# Altium PCB v1.0.PcbDoc (part 2 of 2)
Units mm, origin at the board's own origin, x right, y up, seen from the top; angles counter-clockwise.
Board outline 99.95 x 74.68 mm, 4 copper layers (Top Layer, Int1 (GND), Int2 (PWR), Bottom Layer), stack 1.608 mm thick; 137 components, 103 nets, 459 pads, 643 vias.
Unrouted connection lines stored in the file: 1.
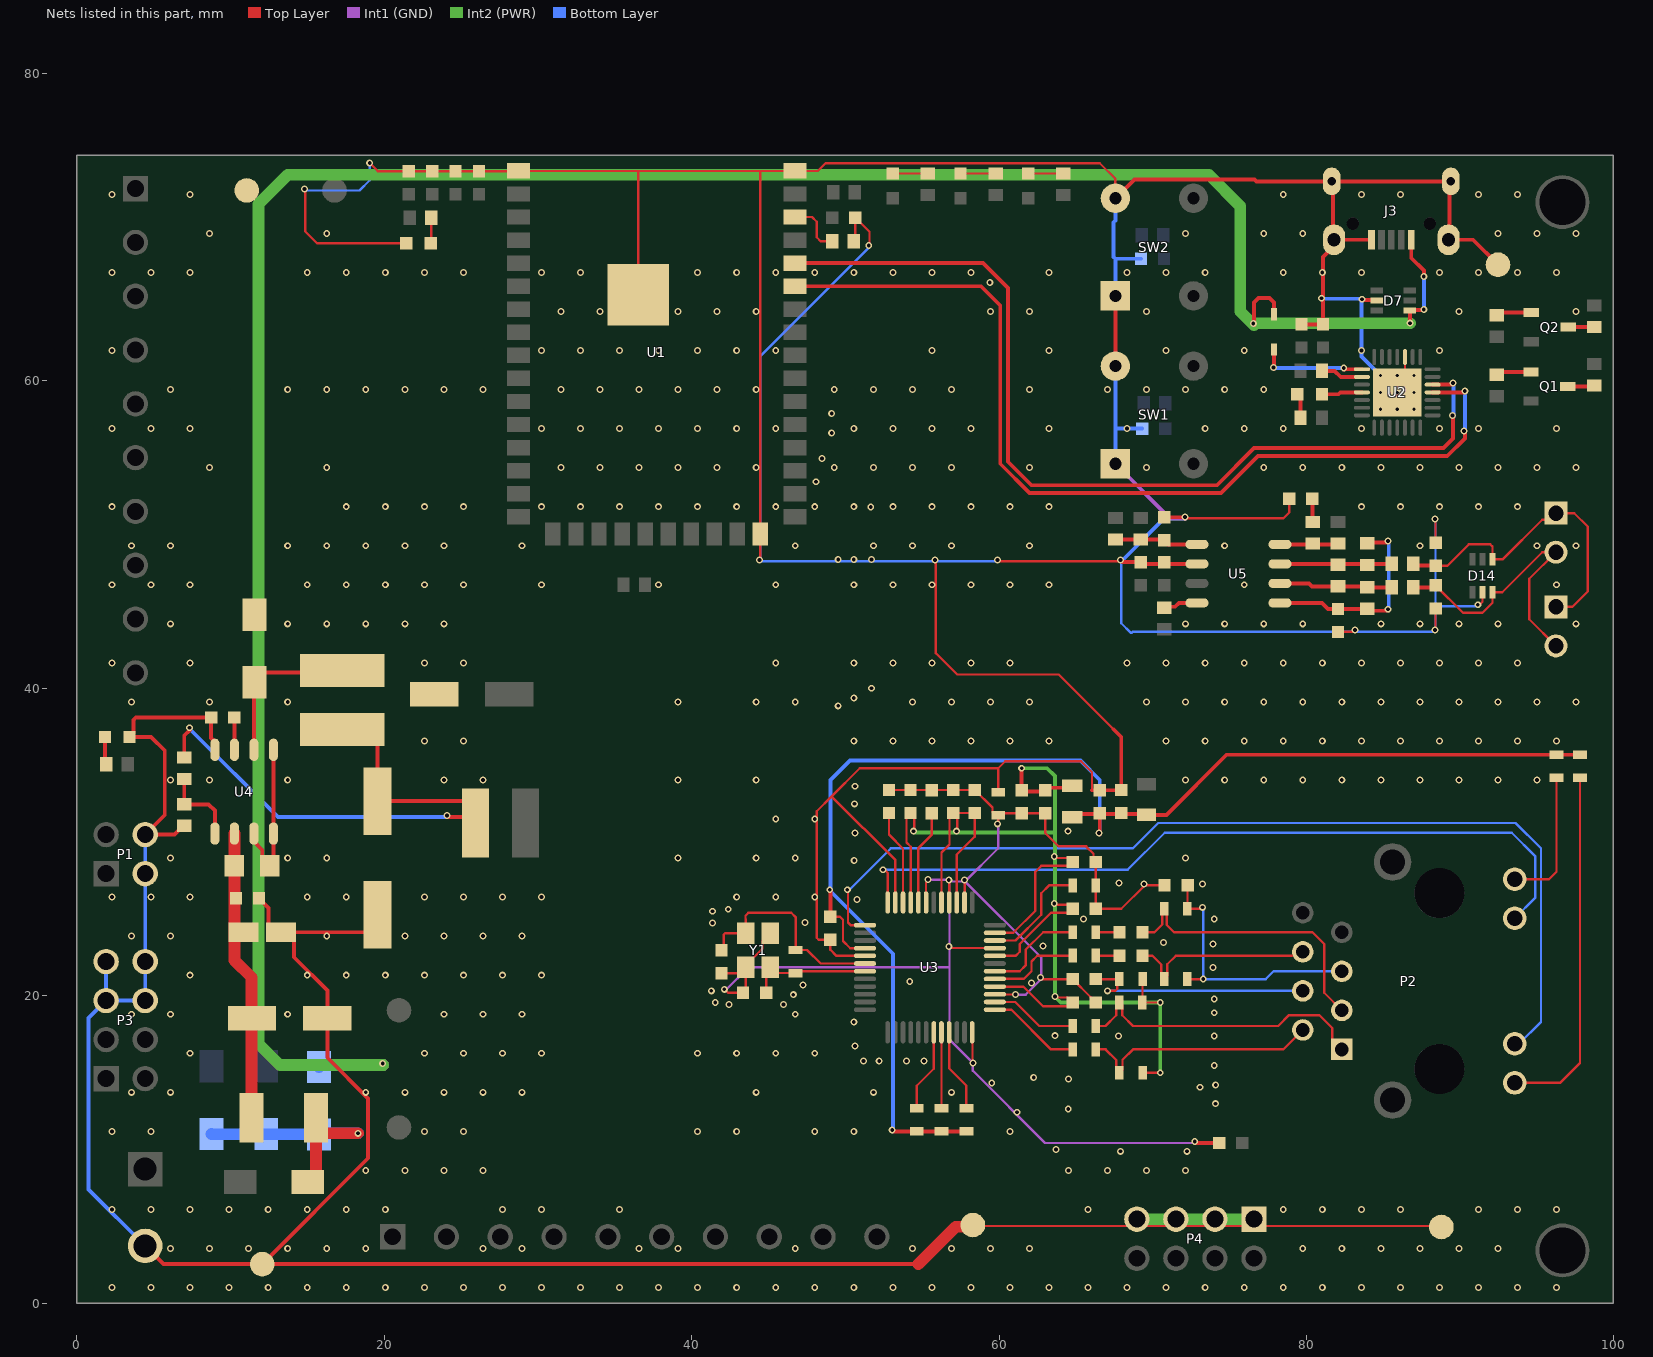
[diagram p4: the nets of this part, all layers, seen from the top]

## Via types
v1: diameter 0.45, hole 0.25, Top Layer to Bottom Layer, tented both sides, 634 vias
v2: diameter 0.5, hole 0.2, Top Layer to Bottom Layer, 9 vias

## Nets (pads, with @x,y where several pads share a name; then routed paths per layer and width w, separated by ;. In a path a pad name is that pad's centre, name@x,y a point inside that pad or via, vN(x,y) a via of type N, cw(c..) or ccw(c..) an arc to the next point about the centre after c; other vN are vias at no path point) (continued)
GND: C1.1 C2.1 C3.1 C4.1 C5.1 C6.1 C7.1 C8.1 C9.1 C18.1 C19.1 C27.1 C30.2 C31.2 C32.2 C33.2 C34.1 C35.2 C36.2 C37.1 C38.1 C39.2 C40.2 C41.1 C42.1 D4.1 D7.2 D10.1 D12.1 D14.2 J3.5 J3.Shell J4.2 P1.2 P1.4 P3.5 P3.6 P3.7 P3.8 P4.1 P4.3 P4.5 P4.7 R2.2 R31.2 R36.1 SW1.1 SW1.3 SW2.1 SW2.3 TP3.1 TP4.1 TP6.1 TP7.1 TP8.1 U1.1 U1.26 U1.42 U1.43 U2.3 U2.29 U3.23 U3.29 U4.4 U5.2 | length 544.1
  Top Layer w0.152: v1@14.859,72.39 14.859,69.723 15.621,68.961 D4.1@21.425,68.961 ; v1(19.05,74.172) 19.574,73.648 C6.1@23.114,73.648 C5.1@24.638,73.648 C4.1@26.162,73.648 28.707,73.648 U1.1@28.719,73.66 36.449,73.66 ; U1.43@36.519,65.599 36.519,73.59 36.449,73.66 ; v1@44.45,48.26 44.45,50.019 U1.26@44.469,50.038 44.469,73.641 44.45,73.66 ; R2.2@50.549,69.088 50.649,69.188 C3.1@50.649,70.612 51.562,69.699 v1@51.562,68.707 ; U3.29@51.274,22.594 49.415,22.594 49.022,22.987 C18.1@49.022,23.634 48.272,23.634 48.133,23.773 48.133,32.004 49.1,32.971 ; U3.23@53.249,26.069 53.249,28.822 49.1,32.971 ; v1@55.88,48.26 55.88,42.291 57.277,40.894 63.881,40.894 67.437,37.338 ; TP3.1@58.356,5.016 88.709,5.016 TP8.1@88.773,4.953 ; R31.2@59.944,33.25 59.944,34.798 ; v1@59.944,48.26 v1@67.945,48.26 ; 66.04,33.365 66.04,34.544 65.332,35.252 60.398,35.252 59.944,34.798 ; SW2.3@67.564,71.882 67.564,73.152 66.551,74.165 48.706,74.165 48.202,73.66 U1.42@46.719,73.66 44.45,73.66 ; v1@72.136,51.054 78.486,51.054 78.879,51.447 C42.1@78.879,52.324 ; C38.1@82.048,43.66 82.076,43.688 v1@83.185,43.688 ; v2(85.903,59.256) 86.403,59.756 U2.3@86.403,61.556 ; v1@88.392,43.688 88.392,45.19 C41.1@88.398,45.196 ; v1@88.392,50.927 88.392,49.483 C36.2@88.398,49.478 ; v1@91.186,45.339 91.186,45.367 91.446,45.627 D14.2@91.446,46.256 ; 36.449,73.66 44.45,73.66 ; 49.1,32.971 50.927,34.798 59.944,34.798
  Top Layer w0.254: J4.2@4.445,3.723 5.628,2.54 TP7.1@12.065,2.54 ; R36.1@6.985,31.05 6.91,31.05 6.34,30.48 P1.4@4.445,30.48 5.715,31.75 5.715,35.941 4.826,36.83 D12.1@3.429,36.83 3.683,37.084 3.683,37.951 3.832,38.1 C35.2@8.737,38.1 8.737,36.76 8.979,36.518 U4.4@8.979,35.999 ; C34.1@11.845,26.336 12.478,25.704 12.478,24.628 12.976,24.13 C33.2@13.29,24.13 C33.2@13.64,24.13 ; C30.2@19.558,25.256 19.558,24.903 18.785,24.13 C33.2@13.64,24.13 ; 54.737,2.54 TP7.1@12.065,2.54 ; 66.04,33.365 C27.1@66.548,33.365 67.921,33.365 C19.1@67.945,33.389 67.945,36.83 67.437,37.338 ; SW1.3@67.564,60.96 SW2.1@67.564,65.532 ; SW2.3@67.564,71.882 68.796,73.114 76.614,73.114 76.745,72.983 J3.Shell@81.639,72.983 ; v1@67.945,48.26 67.985,48.26 68.037,48.208 C40.2@69.221,48.208 69.336,48.093 U5.2@72.871,48.093 ; C37.1@70.745,51.129 72.022,51.129 72.096,51.054 v1@72.136,51.054 ; C9.1@79.672,63.677 C8.1@81.069,63.677 81.069,68.063 81.789,68.783 J3.Shell@81.789,69.183 ; v1(83.603,65.31) 83.641,65.273 84.518,65.273 D7.2@84.566,65.225 ; J3.5@84.214,69.183 J3.Shell@81.789,69.183 ; TP6.1@92.456,67.564 90.837,69.183 J3.Shell@89.239,69.183 89.314,69.258 89.314,72.908 J3.Shell@89.389,72.983 J3.Shell@81.639,72.983 ; TP7.1@12.065,2.54 18.948,9.423 18.948,13.309 16.293,15.964 C32.2@16.293,18.542 16.293,20.346 14.138,22.501 14.138,23.632 C33.2@13.64,24.13 ; J3.Shell@81.639,72.983 81.714,72.908 81.714,69.258 J3.Shell@81.789,69.183
  Top Layer w0.762: 54.737,2.54 57.173,4.976 58.316,4.976 TP3.1@58.356,5.016
  Int1 (GND) w0.254: SW1.1@67.564,54.61 71.12,51.054 v1@72.136,51.054
  Int2 (PWR) w0.762: P4.7@68.961,5.461 P4.5@71.501,5.461 P4.3@74.041,5.461 P4.1@76.581,5.461
  Bottom Layer w0.152: v1@14.859,72.39 18.386,72.39 19.05,73.054 v1(19.05,74.172) ; v1@51.562,68.707 44.45,61.595 44.45,48.26 55.88,48.26 v1@59.944,48.26 ; v1@67.945,48.26 67.945,44.232 68.553,43.624 68.643,43.624 68.707,43.688 83.185,43.688 88.392,43.688 88.392,45.339 ; v1@88.392,50.927 88.392,45.339 ; v1@91.186,45.339 88.392,45.339
  Bottom Layer w0.254: P3.7@1.905,22.225 P3.5@1.905,19.685 ; J4.2@4.445,3.723 0.762,7.406 0.762,18.542 P3.5@1.905,19.685 ; P1.4@4.445,30.48 P1.2@4.445,27.94 P3.8@4.445,22.225 P3.6@4.445,19.685 P3.5@1.905,19.685 ; SW1.1@67.564,54.61 67.564,56.896 ; SW1.3@67.564,60.96 67.564,56.896 ; SW2.1@67.564,65.532 67.564,67.945 ; SW2.3@67.564,71.882 67.564,70.442 67.441,70.319 67.441,68.068 67.564,67.945 ; v1@67.945,48.26 70.739,51.054 v1@72.136,51.054 ; C2.1@69.227,67.945 67.564,67.945 ; C1.1@69.305,56.896 67.564,56.896 ; v1@81.021,65.285 81.021,65.29 81.074,65.343 83.57,65.343 v1(83.603,65.31) ; v1@83.58,65.278 83.58,61.578 v2(84.803,60.356)
  other v1: 2.286,1.016 4.826,1.016 7.366,1.016 9.906,1.016 12.446,1.016 14.986,1.016 17.526,1.016 20.066,1.016 22.606,1.016 25.146,1.016 27.686,1.016 30.226,1.016 32.766,1.016 35.306,1.016 37.846,1.016 40.386,1.016 42.926,1.016 45.466,1.016 48.006,1.016 50.546,1.016 53.086,1.016 55.626,1.016 58.166,1.016 60.706,1.016 63.246,1.016 65.786,1.016 68.326,1.016 70.866,1.016 73.406,1.016 75.946,1.016 78.486,1.016 81.026,1.016 83.566,1.016 86.106,1.016 88.646,1.016 91.186,1.016 93.726,1.016 96.266,1.016 6.096,3.556 8.636,3.556 11.176,3.556 13.716,3.556 16.256,3.556 18.796,3.556 26.416,3.556 28.956,3.556 36.576,3.556 39.116,3.556 46.736,3.556 54.356,3.556 56.896,3.556 59.436,3.556 61.976,3.556 79.756,3.556 82.296,3.556 84.836,3.556 87.376,3.556 89.916,3.556 92.456,3.556 2.286,6.096 4.826,6.096 7.366,6.096 9.906,6.096 12.446,6.096 14.986,6.096 17.526,6.096 20.066,6.096 27.686,6.096 30.226,6.096 35.306,6.096 65.786,6.096 78.486,6.096 81.026,6.096 83.566,6.096 86.106,6.096 91.186,6.096 93.726,6.096 96.266,6.096 18.796,8.636 21.336,8.636 23.876,8.636 26.416,8.636 64.516,8.636 67.056,8.636 69.596,8.636 72.136,8.636 2.286,11.176 4.826,11.176 22.606,11.176 25.146,11.176 40.386,11.176 42.926,11.176 48.006,11.176 50.546,11.176 60.706,11.176 3.556,13.716 6.096,13.716 18.796,13.716 21.336,13.716 23.876,13.716 26.416,13.716 28.956,13.716 44.196,13.716 51.816,13.716 56.896,13.716 7.366,16.256 22.606,16.256 25.146,16.256 27.686,16.256 30.226,16.256 40.386,16.256 42.926,16.256 45.466,16.256 48.006,16.256 3.556,18.796 6.096,18.796 13.716,18.796 23.876,18.796 26.416,18.796 28.956,18.796 46.736,18.796 7.366,21.336 14.986,21.336 17.526,21.336 20.066,21.336 22.606,21.336 25.146,21.336 27.686,21.336 30.226,21.336 3.556,23.876 6.096,23.876 16.256,23.876 21.336,23.876 23.876,23.876 26.416,23.876 28.956,23.876 2.286,26.416 4.826,26.416 7.366,26.416 14.986,26.416 17.526,26.416 22.606,26.416 25.146,26.416 27.686,26.416 30.226,26.416 42.926,26.416 45.466,26.416 48.006,26.416 6.096,28.956 13.716,28.956 16.256,28.956 39.116,28.956 44.196,28.956 46.736,28.956 72.136,28.956 45.466,31.496 48.006,31.496 6.096,34.036 8.636,34.036 13.716,34.036 23.876,34.036 26.416,34.036 39.116,34.036 44.196,34.036 72.136,34.036 74.676,34.036 77.216,34.036 79.756,34.036 82.296,34.036 84.836,34.036 87.376,34.036 89.916,34.036 92.456,34.036 94.996,34.036 22.606,36.576 25.146,36.576 50.546,36.576 53.086,36.576 55.626,36.576 58.166,36.576 60.706,36.576 63.246,36.576 70.866,36.576 73.406,36.576 75.946,36.576 78.486,36.576 81.026,36.576 83.566,36.576 86.106,36.576 88.646,36.576 91.186,36.576 93.726,36.576 96.266,36.576 49.53,38.862 3.556,39.116 8.636,39.116 13.716,39.116 39.116,39.116 44.196,39.116 46.736,39.116 54.356,39.116 56.896,39.116 59.436,39.116 61.976,39.116 69.596,39.116 72.136,39.116 74.676,39.116 77.216,39.116 79.756,39.116 82.296,39.116 84.836,39.116 87.376,39.116 89.916,39.116 92.456,39.116 94.996,39.116 97.536,39.116 50.546,39.37 51.689,40.005 2.286,41.656 7.366,41.656 22.606,41.656 25.146,41.656 45.466,41.656 50.546,41.656 53.086,41.656 55.626,41.656 58.166,41.656 60.706,41.656 68.326,41.656 70.866,41.656 73.406,41.656 75.946,41.656 78.486,41.656 81.026,41.656 83.566,41.656 86.106,41.656 88.646,41.656 91.186,41.656 93.726,41.656 83.142,43.786 88.349,43.786 6.096,44.196 13.716,44.196 16.256,44.196 18.796,44.196 21.336,44.196 23.876,44.196 72.136,44.196 74.676,44.196 77.216,44.196 79.756,44.196 84.836,44.196 87.376,44.196 89.916,44.196 92.456,44.196 97.536,44.196 91.143,45.437 2.286,46.736 4.826,46.736 7.366,46.736 14.986,46.736 17.526,46.736 20.066,46.736 22.606,46.736 25.146,46.736 30.226,46.736 37.846,46.736 45.466,46.736 50.546,46.736 53.086,46.736 55.626,46.736 58.166,46.736 60.706,46.736 63.246,46.736 75.946,46.736 96.266,46.736 44.407,48.358 55.837,48.358 59.901,48.358 67.902,48.358 49.53,48.387 50.546,48.387 51.689,48.387 3.556,49.276 6.096,49.276 13.716,49.276 16.256,49.276 18.796,49.276 21.336,49.276 23.876,49.276 28.956,49.276 46.736,49.276 51.816,49.276 54.356,49.276 56.896,49.276 61.976,49.276 74.676,49.276 87.376,49.276 94.996,49.276 97.536,49.276 88.349,51.025 72.093,51.152 51.646,51.787 2.286,51.816 17.526,51.816 20.066,51.816 22.606,51.816 25.146,51.816 30.226,51.816 32.766,51.816 35.306,51.816 37.846,51.816 40.386,51.816 42.926,51.816 45.466,51.816 48.006,51.816 50.546,51.816 53.086,51.816 55.626,51.816 58.166,51.816 60.706,51.816 63.246,51.816 83.566,51.816 86.106,51.816 88.646,51.816 91.186,51.816 93.726,51.816 48.09,53.438 8.636,54.356 16.256,54.356 31.496,54.356 34.036,54.356 36.576,54.356 39.116,54.356 41.656,54.356 44.196,54.356 49.276,54.356 51.816,54.356 54.356,54.356 56.896,54.356 61.976,54.356 69.596,54.356 77.216,54.356 79.756,54.356 82.296,54.356 84.836,54.356 87.376,54.356 89.916,54.356 92.456,54.356 94.996,54.356 97.536,54.356 48.471,54.962 49.106,56.613 2.286,56.896 4.826,56.896 7.366,56.896 30.226,56.896 32.766,56.896 35.306,56.896 37.846,56.896 40.386,56.896 42.926,56.896 45.466,56.896 50.546,56.896 53.086,56.896 55.626,56.896 58.166,56.896 63.246,56.896 68.326,56.896 73.406,56.896 75.946,56.896 78.486,56.896 83.566,56.896 88.646,56.896 91.186,56.896 96.266,56.896 49.106,57.883 6.096,59.436 13.716,59.436 16.256,59.436 18.796,59.436 21.336,59.436 23.876,59.436 26.416,59.436 31.496,59.436 34.036,59.436 36.576,59.436 39.116,59.436 41.656,59.436 44.196,59.436 49.276,59.436 51.816,59.436 54.356,59.436 56.896,59.436 61.976,59.436 67.056,59.436 69.596,59.436 72.136,59.436 74.676,59.436 77.216,59.436 2.286,61.976 30.226,61.976 32.766,61.976 35.306,61.976 37.846,61.976 40.386,61.976 42.926,61.976 45.466,61.976 55.626,61.976 63.246,61.976 70.866,61.976 75.946,61.976 83.566,61.976 88.646,61.976 31.496,64.516 34.036,64.516 39.116,64.516 41.656,64.516 44.196,64.516 59.436,64.516 61.976,64.516 69.596,64.516 89.916,64.516 97.536,64.516 80.983,65.376 59.393,66.392 2.286,67.056 4.826,67.056 7.366,67.056 14.986,67.056 17.526,67.056 20.066,67.056 22.606,67.056 25.146,67.056 30.226,67.056 32.766,67.056 40.386,67.056 42.926,67.056 45.466,67.056 48.006,67.056 50.546,67.056 53.086,67.056 55.626,67.056 58.166,67.056 63.246,67.056 68.326,67.056 70.866,67.056 73.406,67.056 78.486,67.056 81.026,67.056 83.566,67.056 88.646,67.056 91.186,67.056 93.726,67.056 96.266,67.056 51.519,68.805 8.636,69.596 16.256,69.596 72.136,69.596 77.216,69.596 79.756,69.596 92.456,69.596 94.996,69.596 97.536,69.596 2.286,72.136 7.366,72.136 78.486,72.136 83.566,72.136 86.106,72.136 91.186,72.136 93.726,72.136 14.816,72.488
  other v2: 84.803,58.156 85.903,58.156 87.003,58.156 84.803,59.256 87.003,59.256 85.903,60.356 87.003,60.356
GNDA: C12.1 C13.1 C14.2 C15.1 C16.2 C17.1 C20.1 C21.1 C22.1 C23.1 C24.1 C25.1 C26.1 C28.1 C29.1 R25.2 R31.1 U3.3 U3.9 U3.14 U3.16 U3.19 U3.48 Y1.2 Y1.4 | length 111.5
  Top Layer w0.152: C17.1@41.932,21.463 43.123,21.463 Y1.2@43.516,21.856 ; v1@42.164,20.32 42.231,20.32 42.358,20.193 C20.1@43.341,20.193 43.516,20.368 Y1.2@43.516,21.856 ; Y1.4@45.116,24.056 44.617,23.557 44.617,23.082 43.516,21.981 Y1.2@43.516,21.856 ; C14.2@52.832,33.389 C23.1@57.023,33.389 C25.1@58.42,33.389 59.57,32.239 59.57,31.949 59.769,31.75 R31.1@59.944,31.75 ; U3.19@55.249,26.069 55.247,26.071 55.247,27.353 55.372,27.478 v1(55.372,27.559) ; U3.16@56.749,26.069 56.759,26.079 56.759,27.422 v1@56.769,27.432 ; v1@56.769,23.114 56.779,23.104 59.714,23.104 U3.9@59.724,23.094 ; U3.14@57.749,26.069 57.767,26.087 57.767,27.414 v1@57.785,27.432 ; U3.48@58.249,17.619 58.271,17.597 58.271,15.643 v1(58.293,15.621) ; U3.3@59.724,20.094 59.738,20.08 v1(61.073,20.08) ; v1@59.944,31.086 R31.1@59.944,31.75 ; v1@62.738,21.082 C12.1@64.782,21.082 65.958,19.906 65.958,19.882 C21.1@66.282,19.558 ; C15.1@70.763,27.178 69.469,27.178 67.945,25.654 C22.1@66.282,25.654 R25.2@66.282,27.178 C24.1@66.282,28.702 66.136,28.848 66.136,29.241 65.659,29.718 63.881,29.718 62.992,30.607 C28.1@62.992,31.877 C29.1@61.468,31.877 60.071,31.877 R31.1@59.944,31.75
  Top Layer w0.254: v1@72.771,10.414 C16.2@74.319,10.414
  Int1 (GND) w0.152: v1@42.164,20.32 43.688,21.844 56.769,21.844 ; v1(55.372,27.559) 55.386,27.545 56.628,27.545 56.642,27.559 v1@56.769,27.432 ; v1@59.944,31.086 59.944,29.591 v1@57.785,27.432 ; v1(61.073,20.08) 61.087,20.066 61.722,20.066 62.738,21.082 62.738,22.479 v1@57.785,27.432 ; v1@72.771,10.414 62.992,10.414 58.293,15.113 v1(58.293,15.621) 56.769,17.145 56.769,21.844 ; 56.769,21.844 56.769,23.114 v1@56.769,27.432 ; v1@56.769,27.432 v1@57.785,27.432
  other v1: 67.902,9.877 72.22,9.877 63.711,10.004 72.728,10.512 61.171,12.417 64.495,12.639 74.069,12.976 73.058,14.043 74.089,14.182 59.52,14.322 64.523,14.576 62.249,14.689 73.998,15.465 51.181,15.748 52.197,15.748 53.975,15.748 55.118,15.748 50.63,16.735 67.775,17.37 73.998,17.37 63.627,17.399 50.546,18.288 73.998,18.894 42.418,19.431 45.974,19.431 41.529,19.558 73.998,19.783 46.609,20.066 41.275,20.32 42.121,20.418 47.244,20.701 62.103,20.828 54.186,20.926 62.695,21.18 73.914,21.844 56.726,23.212 62.865,23.241 73.914,23.368 70.696,23.466 41.359,24.736 47.371,24.765 65.489,24.99 73.998,24.99 41.359,25.498 42.375,25.625 50.757,26.26 69.426,27.276 73.236,27.276 67.791,27.338 56.726,27.53 57.742,27.53 50.571,28.789 50.63,30.578 64.473,30.705 59.901,31.184 50.587,32.485 50.63,33.626
LINKLED: P2.10 U3.25 | length 64.4
  Top Layer w0.152: v1@50.165,26.797 50.165,24.765 50.336,24.594 U3.25@51.274,24.594
  Bottom Layer w0.152: v1@50.165,26.797 52.959,29.591 68.707,29.591 70.358,31.242 93.599,31.242 95.25,29.591 95.25,18.288 93.832,16.87 P2.10@93.546,16.87
  other v1: 50.122,26.895
MAIN_VIN: C32.1 C33.1 C34.2 F1.2 R37.1 U4.6 | length 18.9
  Top Layer w0.762: U4.6@10.249,30.549 R37.1@10.249,28.448 10.249,22.304 11.362,21.19 F1.2@11.362,12.065
NetC10_1: C10.1 P2.3 R26.1 | length 19.2
  Top Layer w0.152: C10.1@69.33,24.13 70.104,24.13 70.612,24.638 70.612,25.515 R26.1@70.751,25.654 70.903,25.502 70.903,24.601 71.374,24.13 80.391,24.13 81.153,23.368 81.153,20.188 P2.3@82.296,19.045
NetC10_2: C10.2 R22.2 | length 1.5
  Top Layer w0.152: R22.2@66.294,24.13 C10.2@67.83,24.13
NetC11_1: C11.1 P2.6 R27.1 | length 12.7
  Top Layer w0.152: C11.1@69.33,22.606 69.977,22.606 70.55,22.033 70.55,21.271 R27.1@70.739,21.082 70.938,21.281 70.938,22.043 71.501,22.606 79.044,22.606 79.055,22.617 79.518,22.617 P2.6@79.756,22.855
NetC11_2: C11.2 R24.2 | length 1.5
  Top Layer w0.152: R24.2@66.282,22.606 C11.2@67.83,22.606
NetC12_2: C12.2 P2.4 R17.1 | length 15.6
  Top Layer w0.152: C12.2@66.282,21.082 R17.1@67.83,21.082 67.691,20.943 67.691,20.447 67.564,20.32 v1(67.056,20.32)
  Bottom Layer w0.152: v1(67.056,20.32) 67.058,20.318 79.753,20.318 P2.4@79.756,20.315
NetC13_2: C13.2 U3.20 | length 6.2
  Top Layer w0.152: U3.20@54.749,26.069 54.749,29.603 55.626,30.48 C13.2@55.626,31.877
NetC14_1: C14.1 U3.22 | length 6.2
  Top Layer w0.152: C14.1@52.832,31.889 52.832,30.48 53.749,29.563 U3.22@53.749,26.069
NetC15_2: C15.2 P2.5 R26.2 R27.2 | length 17.4
  Top Layer w0.152: R27.2@72.239,21.082 v1(73.279,21.082) ; C15.2@72.263,27.178 72.251,27.166 R26.2@72.251,25.654 v1@73.279,25.654
  Bottom Layer w0.152: v1@73.279,25.654 v1(73.279,21.082) 77.343,21.082 77.851,21.59 82.291,21.59 P2.5@82.296,21.585
  other v1: 73.236,25.752
NetC30_1: C30.1 L2.2 L3.1 R34.2 | length 35
  Top Layer w0.254: R34.2@6.985,35.498 6.985,36.917 7.366,37.298 v1@7.366,37.338 ; L2.2@17.252,37.338 L2.2@17.272,37.318 ; L2.2@19.558,37.191 C30.1@19.558,32.656 25.186,32.656 25.934,31.908 L3.1@25.934,31.242 25.553,31.623 v1@24.13,31.623
  Bottom Layer w0.254: v1@7.366,37.338 13.081,31.623 v1@24.13,31.623
  other v1: 24.087,31.721 7.323,37.436
NetC35_1: C35.1 U4.3 | length 2.1
  Top Layer w0.254: C35.1@10.237,38.1 10.249,38.088 U4.3@10.249,35.999
NetC36_1: C36.1 D14.4 P5.1 P6.1 R40.1 | length 21.2
  Top Layer w0.152: C36.1@88.398,47.978 89.172,47.978 90.557,49.363 91.954,49.363 92.096,49.221 D14.4@92.096,48.406 92.775,48.406 95.336,50.967 95.798,50.967 P6.1@96.226,51.395 97.415,51.395 98.304,50.506 98.304,46.315 97.288,45.299 P5.1@96.226,45.299
  Top Layer w0.254: R40.1@86.939,48.093 87.054,47.978 C36.1@88.398,47.978
NetC37_2: C37.2 R38.1 R39.1 U5.1 | length 5.4
  Top Layer w0.254: R39.1@67.57,49.679 R38.1@69.221,49.679 70.695,49.679 C37.2@70.745,49.629 71.011,49.363 U5.1@72.871,49.363
NetC41_2: C41.2 D14.3 P5.2 P6.2 R45.1 | length 19.6
  Top Layer w0.152: C41.2@88.398,46.696 90.183,44.91 91.438,44.91 92.096,45.568 D14.3@92.096,46.256 92.738,46.256 95.336,48.854 P6.2@96.226,48.855 94.494,47.123 94.494,44.491 P5.2@96.226,42.759
  Top Layer w0.254: R45.1@86.939,46.569 88.271,46.569 C41.2@88.398,46.696
NetC42_2: C42.2 R47.1 | length 1.4
  Top Layer w0.254: C42.2@80.391,52.209 80.379,52.197 80.379,50.842 R47.1@80.397,50.825
NetD1_2: D1.2 R6.1 | length 2.3
  Top Layer w0.152: D1.2@61.899,73.487 61.901,73.489 R6.1@64.182,73.489
NetD2_2: D2.2 R7.1 | length 2.3
  Top Layer w0.152: D2.2@57.485,73.487 57.487,73.489 R7.1@59.768,73.489
NetD3_2: D3.2 R8.1 | length 2.3
  Top Layer w0.152: D3.2@53.071,73.487 53.073,73.489 R8.1@55.354,73.489
NetD4_2: D4.2 R9.1 | length 1.7
  Top Layer w0.152: D4.2@23.025,68.961 23.052,68.988 R9.1@23.052,70.612
NetD5_1: D5.1 U2.11 | length 2.7
  Top Layer w0.254: D5.1@81.005,59.129 82.085,59.129 82.212,59.256 U2.11@83.603,59.256
NetD5_2: D5.2 R14.1 | length 1.6
  Top Layer w0.254: D5.2@79.405,59.129 79.607,58.927 R14.1@79.607,57.605
NetD8_2: D8.2 D9.2 D11.2 D13.2 F1.1 | length 17
  Top Layer w0.762: D13.2@15.027,7.874 15.168,7.874 15.562,8.268 F1.1@15.562,11.443 ; F1.1@15.562,12.065 F1.1@15.562,11.443 ; v1(18.288,11.049) 15.956,11.049 F1.1@15.562,11.443
  Bottom Layer w0.762: D11.2@8.763,11.008 8.784,10.987 12.319,10.987 15.727,10.987 D9.2@15.748,10.967 15.83,11.049 v1(18.288,11.049)
NetD10_2: D10.2 L2.1 U4.2 | length 12.7
  Top Layer w0.254: U4.2@11.519,35.999 11.519,40.348 D10.2@11.557,40.386 11.557,40.393 12.205,41.041 L2.1@19.558,41.041
NetD12_2: D12.2 R35.1 | length 1.8
  Top Layer w0.254: D12.2@1.829,36.83 1.829,35.121 R35.1@1.903,35.047
NetP2_1: P2.1 R16.2 R18.1 | length 19.7
  Top Layer w0.152: R16.2@66.294,18.034 66.929,18.034 67.619,18.724 67.619,19.359 R18.1@67.818,19.558 68.017,19.359 68.017,18.724 68.707,18.034 78.161,18.034 78.867,18.74 80.828,18.74 81.673,17.895 81.673,17.128 P2.1@82.296,16.505
NetP2_2: P2.2 R19.1 R20.2 | length 15.9
  Top Layer w0.152: R20.2@66.294,16.51 66.929,16.51 67.631,15.808 67.631,14.997 R19.1@67.645,14.983 ; R19.1@67.83,14.986 68.029,15.185 68.029,15.832 68.707,16.51 78.491,16.51 P2.2@79.756,17.775
NetP2_9: P2.9 R21.1 | length 23.3
  Top Layer w0.152: P2.9@93.546,14.33 96.499,14.33 97.79,15.621 R21.1@97.79,34.175
NetP2_12: P2.12 R23.1 | length 9
  Top Layer w0.152: P2.12@93.546,27.58 95.779,27.58 96.266,28.067 R23.1@96.266,34.175
NetQ1_2: Q1.2 R12.2 | length 2.3
  Top Layer w0.254: R12.2@92.372,60.402 92.557,60.587 Q1.2@94.601,60.587
NetQ1_3: Q1.3 R10.1 | length 1.7
  Top Layer w0.254: Q1.3@97.001,59.637 98.66,59.637 R10.1@98.722,59.699
NetQ2_2: Q2.2 R13.2 | length 2.3
  Top Layer w0.254: R13.2@92.372,64.274 92.546,64.448 Q2.2@94.624,64.448
NetQ2_3: Q2.3 R15.1 | length 1.7
  Top Layer w0.254: Q2.3@97.024,63.498 98.711,63.498 R15.1@98.722,63.509
NetR2_1: R2.1 U1.40 | length 3.7
  Top Layer w0.152: U1.40@46.719,70.66 47.831,70.66 48.133,70.358 48.133,69.342 48.387,69.088 R2.1@49.149,69.088
NetR11_1: R11.1 U2.9 | length 2.8
  Top Layer w0.254: R11.1@81.007,60.653 81.831,60.653 82.228,60.256 U2.9@83.603,60.256
NetR25_1: R25.1 U3.10 | length 7.4
  Top Layer w0.152: U3.10@59.724,23.594 61.059,23.594 62.738,25.273 62.738,26.67 63.246,27.178 R25.1@64.782,27.178
NetR28_1: R28.1 U3.45 | length 5.4
  Top Layer w0.152: U3.45@56.749,17.619 56.749,15.26 57.868,14.141 R28.1@57.868,12.672
NetR29_1: R29.1 U3.44 | length 5
  Top Layer w0.152: U3.44@56.249,17.619 56.249,12.68 R29.1@56.257,12.672
NetR30_1: R30.1 U3.43 | length 5.4
  Top Layer w0.152: R30.1@54.646,12.672 54.646,14.141 55.749,15.244 U3.43@55.749,17.619
NetR34_1: R34.1 R36.2 U4.5 | length 5.3
  Top Layer w0.254: R34.1@6.985,34.098 R36.2@6.985,32.45 8.571,32.45 8.979,32.042 U4.5@8.979,30.549
NetR37_2: R37.2 U4.1 U4.7 U4.8 | length 10.2
  Top Layer w0.254: U4.7@11.519,30.549 11.519,30.03 12.062,29.487 12.062,28.921 R37.2@12.535,28.448 12.789,28.702 U4.8@12.789,30.549 U4.1@12.789,35.999
NetR40_2: R40.2 R41.1 R42.1 U5.7 | length 7.3
  Top Layer w0.254: U5.7@78.271,48.093 81.986,48.093 R42.1@82.048,48.031 82.11,48.093 R40.2@85.539,48.093
NetR42_2: R42.2 R43.2 R45.2 U5.6 | length 7.4
  Top Layer w0.254: U5.6@78.271,46.823 80.161,46.823 80.353,46.631 R42.2@82.048,46.631 83.891,46.631 R43.2@83.953,46.569 R45.2@85.539,46.569
NetR44_1: R44.1 U5.4 | length 2.3
  Top Layer w0.254: R44.1@70.745,45.237 70.814,45.306 71.452,45.306 71.698,45.553 U5.4@72.871,45.553
NetR46_2: R46.2 R47.2 U5.8 | length 3.8
  Top Layer w0.254: U5.8@78.271,49.363 81.986,49.363 R46.2@82.048,49.425
NetU1_37: U1.37 U2.25 | length 61.8
  Top Layer w0.254: U1.37@46.719,66.16 58.808,66.16 60.071,64.897 60.071,54.61 61.976,52.705 74.422,52.705 76.835,55.118 89.154,55.118 90.297,56.261 v1@90.297,56.642 ; U2.25@88.203,59.256 v1@90.34,59.256
  Bottom Layer w0.254: v1@90.297,56.642 90.318,56.663 90.318,59.234 v1@90.34,59.256
  other v1: 90.254,56.74 90.297,59.354
NetU1_38: U1.38 U2.26 | length 61.6
  Top Layer w0.254: U1.38@46.719,67.66 58.959,67.66 60.579,66.04 60.579,54.737 62.103,53.213 74.168,53.213 76.581,55.626 88.9,55.626 89.535,56.261 v1@89.535,57.658 ; U2.26@88.203,59.756 88.205,59.758 89.572,59.758 v1@89.578,59.764
  Bottom Layer w0.254: v1@89.535,57.658 89.556,57.679 89.556,59.742 v1@89.578,59.764
  other v1: 89.492,57.756 89.535,59.862
RX_N: R24.1 U3.5 | length 6.1
  Top Layer w0.152: U3.5@59.724,21.094 61.607,21.094 62.103,21.59 62.103,22.225 62.484,22.606 R24.1@64.782,22.606
RX_P: R22.1 U3.6 | length 6.7
  Top Layer w0.152: U3.6@59.724,21.594 61.345,21.594 61.722,21.971 61.722,22.987 62.865,24.13 R22.1@64.794,24.13
SPDLED: P2.11 U3.24 | length 50.9
  Top Layer w0.152: v1(52.451,28.194) 52.508,28.137 52.604,28.137 52.757,27.984 U3.24@52.757,26.077
  Bottom Layer w0.152: v1(52.451,28.194) 68.36,28.194 70.773,30.607 93.345,30.607 94.869,29.083 94.869,26.363 P2.11@93.546,25.04
TX_N: R20.1 U3.1 | length 6.1
  Top Layer w0.152: U3.1@59.724,19.094 60.789,19.094 63.373,16.51 R20.1@64.794,16.51
TX_P: R16.1 U3.2 | length 5.7
  Top Layer w0.152: U3.2@59.724,19.594 61.051,19.594 62.611,18.034 R16.1@64.794,18.034
USB_POWER: D6.2 D7.4 D9.1 J3.1 | length 162
  Top Layer w0.254: v1@76.581,63.627 76.581,65.113 76.873,65.405 77.597,65.405 77.894,65.108 D6.2@77.894,64.343 ; v1(86.741,63.754) 86.741,64.549 D7.4@86.716,64.575 86.75,64.609 87.596,64.609 v1(87.63,64.643) ; J3.1@86.814,69.183 86.814,67.989 87.63,67.172 v1(87.63,66.802)
  Int2 (PWR) w0.762: v1@19.939,15.494 13.208,15.494 11.811,16.891 11.811,71.501 13.723,73.413 73.653,73.413 75.692,71.374 75.692,64.516 76.581,63.627 76.708,63.754 v1(86.741,63.754)
  Bottom Layer w0.254: v1(87.63,64.643) v1(87.63,66.802)
  Bottom Layer w0.762: D9.1@15.621,15.494 D9.1@15.748,15.367 15.875,15.494 v1@19.939,15.494
  other v1: 19.896,15.592 76.538,63.725
VBUS_UART_ESP: D6.1 U2.8 | length 7
  Top Layer w0.254: v1@77.894,60.78 D6.1@77.894,62.043 ; v1@82.466,60.735 82.486,60.756 U2.8@83.603,60.756
  Bottom Layer w0.254: v1(77.851,60.878) 77.889,60.84 78.027,60.84 78.034,60.833 v1(82.423,60.833)
VREF: C38.2 R41.2 R43.1 U5.5 | length 13.1
  Top Layer w0.254: U5.5@78.271,45.553 81.017,45.553 81.401,45.169 R43.1@83.953,45.169 84.077,45.045 v1@85.35,45.045 ; R41.2@83.953,49.428 84.015,49.49 84.03,49.475 v1@85.34,49.475
  Bottom Layer w0.254: v1@85.34,49.475 85.35,49.465 v1@85.35,45.045
  other v1: 85.307,45.143 85.297,49.573
W5500_3V3_A: C21.2 C22.2 C23.2 C24.2 C25.2 C26.2 C28.2 C29.2 L1.2 R17.2 R18.2 R19.2 U3.4 U3.8 U3.11 U3.15 U3.17 U3.21 | length 93.1
  Top Layer w0.152: U3.21@54.249,26.069 54.249,29.698 53.975,29.972 53.975,31.635 C26.2@54.229,31.889 54.483,31.635 v1@54.483,30.607 ; U3.17@56.249,26.069 56.249,29.325 56.769,29.845 56.769,31.635 C23.2@57.023,31.889 ; U3.15@57.249,26.069 57.249,29.182 58.42,30.353 C25.2@58.42,31.889 C23.2@57.023,31.889 ; v1@57.277,30.607 57.277,31.635 C23.2@57.023,31.889 ; U3.4@59.724,20.594 61.575,20.594 62.865,19.304 64.528,19.304 C21.2@64.782,19.558 64.458,19.882 63.751,19.882 63.694,19.939 v1(63.627,19.939) ; U3.8@59.724,22.594 61.075,22.594 61.341,22.86 61.341,23.368 63.373,25.4 64.528,25.4 C22.2@64.782,25.654 64.528,25.908 v1@63.627,25.908 ; U3.11@59.724,24.094 60.924,24.094 62.357,25.527 62.357,28.067 62.738,28.448 64.528,28.448 C24.2@64.782,28.702 64.528,28.956 v1@63.627,28.956 ; R19.2@69.33,14.986 v1(70.485,14.986) ; R17.2@69.33,21.082 69.33,19.57 R18.2@69.318,19.558 v1(70.485,19.558)
  Top Layer w0.254: v1(61.468,34.798) C29.2@61.468,33.377 61.567,33.278 C28.2@62.992,33.278 ; C28.2@62.992,33.377 63.143,33.528 L1.2@64.503,33.528
  Int2 (PWR) w0.254: v1@54.483,30.607 57.277,30.607 63.627,30.607 ; v1(61.468,34.798) 63.119,34.798 63.627,34.29 63.627,30.607 ; v1(70.485,14.986) v1(70.485,19.558) 64.008,19.558 v1(63.627,19.939) 63.627,25.908 63.627,28.956 63.627,30.607
  other v1: 63.584,26.006 63.584,29.054 54.44,30.705 57.234,30.705
W5500_3V3_D: C18.2 C19.2 C27.2 L1.1 R21.2 R23.2 R28.2 R29.2 R30.2 R33.1 U3.28 | length 93.3
  Top Layer w0.152: C18.2@49.022,25.134 49.651,25.134 49.844,24.94 49.844,23.562 50.312,23.094 U3.28@51.274,23.094
  Top Layer w0.254: C18.2@49.022,25.134 v1@49.022,26.797 ; v1@53.086,11.176 53.088,11.174 54.644,11.174 R30.2@54.646,11.172 R29.2@56.257,11.172 R28.2@57.868,11.172 ; L1.1@64.516,31.738 64.591,31.813 C27.2@66.548,31.813 ; v1@66.548,30.48 C27.2@66.548,31.813 ; R33.1@69.088,31.766 R33.1@69.596,31.766 70.882,31.766 74.791,35.675 R23.2@96.266,35.675 R21.2@97.79,35.675 ; R33.1@69.088,31.813 67.945,31.813 C27.2@66.548,31.813
  Bottom Layer w0.254: v1@53.086,11.176 53.086,22.733 49.022,26.797 49.022,34.036 50.288,35.302 65.282,35.302 66.548,34.036 v1@66.548,30.48
  other v1: 53.043,11.274 48.979,26.895 66.505,30.578
XTLN: C20.2 R32.1 U3.31 Y1.3 | length 8.1
  Top Layer w0.152: C20.2@44.841,20.193 44.841,21.581 Y1.3@45.116,21.856 45.497,21.475 R32.1@46.758,21.475 46.877,21.594 U3.31@51.274,21.594
XTLP: C17.2 R32.2 U3.30 Y1.1 | length 14.2
  Top Layer w0.152: C17.2@41.932,22.963 42.079,23.109 42.079,23.966 42.168,24.056 Y1.1@43.516,24.056 43.516,24.984 43.497,25.003 43.497,25.209 43.688,25.4 46.482,25.4 46.758,25.124 R32.2@46.758,22.975 47.51,22.975 48.391,22.094 U3.30@51.274,22.094
pads on no net: D7.3 D7.5 D14.1 D14.5 D14.6 H1.1 H2.1 J3.4 J3.MH1 J3.MH2 P2. P2.7 U1.32 U1.33 U2.1 U2.2 U2.10 U2.12 U2.13 U2.14 U2.15 U2.16 U2.17 U2.18 U2.19 U2.20 U2.21 U2.22 U2.23 U2.27 U3.7 U3.12 U3.13 U3.18 U3.26 U3.27 U3.36 U3.37 U3.38 U3.39 U3.40 U3.41 U3.42 U3.46 U3.47

## Polygon pours and split planes (outlines as drawn)
GND on Top Layer "GND_L01_P037" (solid, remove dead copper, pour order 37): -0.508,0 -0.508,74.676 99.949,74.676 99.949,0
GNDA on Top Layer "Top Layer-GNDA" (solid, remove dead copper, pour order 33): 57.531,15.494 63.627,9.398 74.422,9.398 74.422,26.543 73.279,27.686 67.627,27.686 67.183,28.13 67.183,28.575 64.516,31.242 63.927,31.242 63.869,31.301 63.869,32.397 63.627,32.639 59.525,32.639 59.342,32.823 59.342,33.749 59.055,34.036 50.673,34.036 50.292,33.655 50.292,22.225 48.641,22.225 47.625,23.241 47.625,24.956 46.672,25.908 41.275,25.908 41.021,25.654 41.021,19.685 41.529,19.177 46.101,19.177 48.387,21.463 50.292,21.463 50.292,15.875 50.673,15.494
NetD8_2 on Top Layer "Top Layer-NetD8_2" (solid, pour order 1): 13.208,6.985 16.256,6.985 17.907,8.636 17.907,13.97 16.383,13.97 13.97,13.97 13.97,11.176 13.462,10.668 13.462,9.144 13.208,8.89
12V_SUPPLY on Top Layer "12V_SUPPLY_L01_P004" (solid, pour order 4): 3.175,10.16 9.779,10.16 11.303,8.636 11.303,6.858 3.175,6.858
MAIN_VIN on Top Layer "MAIN_VIN_L01_P005" (solid, pour order 5): 8.636,12.192 7.747,13.081 7.747,27.577 9.906,29.736 9.906,30.988 10.033,31.115 10.414,31.115 10.541,30.988 10.541,29.697 11.049,29.189 11.049,14.986 11.938,14.097 11.938,12.192
NetR37_2 on Top Layer "NETR37_2_L01_P006" (solid, pour order 6): 11.176,29.718 11.684,29.21 11.684,27.559 13.335,27.559 13.335,36.83 12.319,36.83 12.319,34.798 11.176,33.655 11.176,33.02
NetD10_2 on Top Layer "NETD10_2_L01_P007" (solid, pour order 7): 11.938,38.608 13.462,40.132 20.193,40.132 20.193,42.418 10.922,42.418 10.668,42.164 10.668,39.116 11.049,38.735 11.049,35.052 11.938,35.052
NetC30_1 on Top Layer "NETC30_1_L01_P009" (solid, pour order 9): 14.351,38.354 20.193,38.354 20.193,36.068 20.701,35.56 20.701,34.29 21.336,33.655 26.797,33.655 26.797,28.829 18.923,28.829 14.351,33.401
+3.3V on Top Layer "+3.3V_L01_P013" (solid, pour order 13): 28.321,33.655 28.321,28.829 30.226,28.829 30.226,43.942 30.099,44.069 26.543,44.069 26.416,43.942 26.416,35.56
GNDA on Top Layer "GNDA_L01_P023" (solid, pour order 23): 59.055,34.036 59.055,32.766 51.435,32.766 51.435,34.036
"CHASSIC GND" on Top Layer "CHASSIC_GND_L01_P028" (solid, pour order 28): 75.692,32.004 75.692,9.779 100.076,9.779 100.076,32.004
GND on Bottom Layer "GND_L04_P036" (solid, remove dead copper, pour order 36): -0.508,0 -0.508,74.676 99.949,74.676 99.949,0
GNDA on Bottom Layer "Bottom Layer-GNDA" (solid, remove dead copper, pour order 32): 57.531,15.494 63.627,9.398 74.422,9.398 74.422,26.543 73.279,27.686 67.627,27.686 67.183,28.13 67.183,28.575 64.516,31.242 63.927,31.242 63.869,31.301 63.869,32.397 63.627,32.639 59.525,32.639 59.342,32.823 59.342,33.749 59.055,34.036 50.673,34.036 50.292,33.655 50.292,22.225 48.641,22.225 47.625,23.241 47.625,24.956 46.672,25.908 41.275,25.908 41.021,25.654 41.021,19.685 41.529,19.177 46.101,19.177 48.387,21.463 50.292,21.463 50.292,15.875 50.673,15.494
USB_POWER on Bottom Layer "USB_POWER_L04_P003" (solid, pour order 3): 12.827,17.653 12.827,14.165 14.77,14.165 14.778,14.172 14.778,17.651 12.829,17.651
NetD8_2 on Bottom Layer "NETD8_2_L04_P022" (solid, pour order 22): 5.969,12.192 16.002,12.192 16.002,9.779 5.969,9.779
"CHASSIC GND" on Bottom Layer "CHASSIC_GND_L04_P031" (solid, remove dead copper, pour order 31): 75.692,32.004 75.692,9.779 100.076,9.779 100.076,32.004
GND on Int1 (GND) "GND_L02_P029" (solid, remove dead copper, pour order 29): -0.508,0 -0.508,74.676 99.949,74.676 99.949,0
GNDA on Int1 (GND) "Int1 (GND)-GNDA" (solid, remove dead copper, pour order 25): 57.531,15.494 63.627,9.398 74.422,9.398 74.422,26.543 73.279,27.686 67.627,27.686 67.183,28.13 67.183,28.575 64.516,31.242 63.927,31.242 63.869,31.301 63.869,32.397 63.627,32.639 59.525,32.639 59.342,32.823 59.342,33.749 59.055,34.036 50.673,34.036 50.292,33.655 50.292,22.225 48.641,22.225 47.625,23.241 47.625,24.956 46.672,25.908 41.275,25.908 41.021,25.654 41.021,19.685 41.529,19.177 46.101,19.177 48.387,21.463 50.292,21.463 50.292,15.875 50.673,15.494
"CHASSIC GND" on Int1 (GND) "CHASSIC_GND_L02_P014" (solid, pour order 14): 75.692,32.004 75.692,9.779 100.076,9.779 100.076,32.004
GND on Int2 (PWR) "GND_L03_P039" (solid, remove dead copper, pour order 39): -0.508,0 -0.508,74.676 99.949,74.676 99.949,0
USB_POWER on Int2 (PWR) "USB_POWER_L03_P038" (solid, pour order 38): 13.335,69.596 14.351,70.612 71.755,70.612 74.041,68.326 74.041,63.754 74.676,63.119 86.995,63.119 87.249,63.373 87.249,64.389 86.868,64.77 78.486,64.77 76.835,66.421 76.835,70.993 73.533,74.295 11.176,74.295 9.398,72.517 9.398,16.51 11.176,14.732 20.574,14.732 20.574,16.256 14.351,16.256 13.335,17.272
GNDA on Int2 (PWR) "Int2 (PWR)-GNDA" (solid, remove dead copper, pour order 24): 57.531,15.494 63.627,9.398 74.422,9.398 74.422,26.543 73.279,27.686 67.627,27.686 67.183,28.13 67.183,28.575 64.516,31.242 63.927,31.242 63.869,31.301 63.869,32.397 63.627,32.639 59.525,32.639 59.342,32.823 59.342,33.749 59.055,34.036 50.673,34.036 50.292,33.655 50.292,22.225 48.641,22.225 47.625,23.241 47.625,24.956 46.672,25.908 41.275,25.908 41.021,25.654 41.021,19.685 41.529,19.177 46.101,19.177 48.387,21.463 50.292,21.463 50.292,15.875 50.673,15.494
+3.3V on Int2 (PWR) "+3.3V_L03_P030" (solid, pour order 30): 66.04,70.612 66.548,70.104 66.548,68.707 66.294,68.453 66.294,40.132 70.485,35.941 70.485,34.671 70.104,34.29 67.945,34.29 63.627,38.608 63.627,41.402 62.865,42.164 38.354,42.164 37.973,41.783 37.973,10.795 39.37,9.398 61.214,9.398 66.548,4.064 77.343,4.064 77.597,3.81 77.597,1.778 64.643,1.778 60.198,6.223 37.719,6.223 35.052,8.89 35.052,42.037 34.798,42.291 27.813,42.291 27.305,42.799 27.305,44.831 27.813,45.339 62.992,45.339 63.627,45.974 63.627,68.199 62.611,69.215 18.669,69.215 18.288,69.596 18.288,70.358 18.542,70.612
"CHASSIC GND" on Int2 (PWR) "CHASSIC_GND_L03_P011" (solid, pour order 11): 75.692,32.004 75.692,9.779 100.076,9.779 100.076,32.004

## Keep-outs
Keep-Out Layer:
  the board outline again, w0.254

## Other copper
Top Layer:
  pour cut-out: 41.275,25.908 41.021,25.654 41.021,19.685 41.529,19.177 46.101,19.177 48.387,21.463 50.292,21.463 50.292,21.336 50.165,21.209 48.514,21.209 46.228,18.923 41.402,18.923 40.767,19.558 40.767,25.781 41.148,26.162 46.863,26.162 47.879,25.146 47.879,23.368 48.768,22.479 50.165,22.479 50.292,22.352 50.292,22.225 48.641,22.225 47.625,23.241 47.625,24.956 46.672,25.908
  pour cut-out: 82.931,63.786 82.931,62.738 83.947,62.738 83.947,63.475
  pour cut-out: 80.453,60.546 80.453,58.234 80.454,58.232 80.515,58.293 80.645,58.293 80.645,60.644
  pour cut-out: 45.817,64.008 45.817,63.812 45.875,63.754 46.101,63.754 46.101,64.135
  pour cut-out: 45.817,71.508 45.817,68.102 46.482,68.102 46.482,71.501
  pour cut-out: 49.701,70.06 49.701,69.715 49.284,69.715 49.276,69.723 49.276,70.104
  pour cut-out: 40.259,50.927 42.672,50.927 42.672,50.673 40.259,50.673
  pour cut-out: 57.023,29.21 57.023,27.813 56.515,27.813 56.482,27.846 56.482,29.177 57.404,30.099 57.404,32.441 58.187,32.441 58.187,30.374
  pour cut-out: 54.595,29.779 55.393,30.577 55.372,30.597 55.372,32.385 55.316,32.441 52.634,32.441 52.451,32.258 53.065,31.644 53.065,30.577
  pour cut-out: 65.334,28.15 65.334,26.206 65.29,26.162 64.77,26.162 64.77,28.194
  pour cut-out: 60.299,23.286 60.299,22.902 60.419,22.902 60.494,22.827 60.494,23.361
  pour cut-out: 45.844,21.003 45.844,21.874 45.872,21.902 46.156,21.902 46.156,21.048
  pour cut-out: 44.289,20.745 44.289,20.903 44.467,21.082 45.339,21.082 45.394,21.027 45.394,20.745
  pour cut-out: 42.418,23.241 42.485,23.308 42.485,23.515 42.779,23.515 42.799,23.495 42.789,23.485 42.789,23.203 42.456,23.203
  pour cut-out: 26.797,28.829 26.797,33.655 28.321,33.655 28.321,28.829
  pour cut-out: 14.351,40.132 20.193,40.132 20.193,38.354 14.351,38.354
  pour cut-out: 74.422,8.509 100.076,8.509 100.076,9.779 75.692,9.779 75.692,32.004 100.076,32.004 100.076,33.274 74.422,33.274
Int1 (GND):
  pour cut-out: 24.892,28.829 24.892,33.655 30.226,33.655 30.226,28.829
  pour cut-out: 14.351,42.418 20.193,42.418 20.193,36.068 14.351,36.068
  pour cut-out: 74.422,8.509 100.076,8.509 100.076,9.779 75.692,9.779 75.692,32.004 100.076,32.004 100.076,33.274 74.422,33.274
  pour cut-out: 41.275,25.908 41.021,25.654 41.021,19.685 41.529,19.177 46.101,19.177 48.387,21.463 50.292,21.463 50.292,21.336 50.165,21.209 48.514,21.209 46.228,18.923 41.402,18.923 40.767,19.558 40.767,25.781 41.148,26.162 46.863,26.162 47.879,25.146 47.879,23.368 48.768,22.479 50.165,22.479 50.292,22.352 50.292,22.225 48.641,22.225 47.625,23.241 47.625,24.956 46.672,25.908
Int2 (PWR):
  pour cut-out: 41.275,25.908 41.021,25.654 41.021,19.685 41.529,19.177 46.101,19.177 48.387,21.463 50.292,21.463 50.292,21.336 50.165,21.209 48.514,21.209 46.228,18.923 41.402,18.923 40.767,19.558 40.767,25.781 41.148,26.162 46.863,26.162 47.879,25.146 47.879,23.368 48.768,22.479 50.165,22.479 50.292,22.352 50.292,22.225 48.641,22.225 47.625,23.241 47.625,24.956 46.672,25.908
  pour cut-out: 24.892,28.829 24.892,33.655 30.226,33.655 30.226,28.829
  pour cut-out: 14.351,42.418 20.193,42.418 20.193,36.068 14.351,36.068
  pour cut-out: 74.422,8.509 100.076,8.509 100.076,9.779 75.692,9.779 75.692,32.004 100.076,32.004 100.076,33.274 74.422,33.274
Bottom Layer:
  pour cut-out: 41.275,25.908 41.021,25.654 41.021,19.685 41.529,19.177 46.101,19.177 48.387,21.463 50.292,21.463 50.292,21.336 50.165,21.209 48.514,21.209 46.228,18.923 41.402,18.923 40.767,19.558 40.767,25.781 41.148,26.162 46.863,26.162 47.879,25.146 47.879,23.368 48.768,22.479 50.165,22.479 50.292,22.352 50.292,22.225 48.641,22.225 47.625,23.241 47.625,24.956 46.672,25.908
  pour cut-out: 24.892,28.829 24.892,33.655 30.226,33.655 30.226,28.829
  pour cut-out: 14.351,42.418 20.193,42.418 20.193,36.068 14.351,36.068
  pour cut-out: 74.422,8.509 100.076,8.509 100.076,9.779 75.692,9.779 75.692,32.004 100.076,32.004 100.076,33.274 74.422,33.274

## Silkscreen, mask and mechanical layers (free items; w line width, h text height)
Top Overlay:
  lines w0.254: 7.62,67.945 8.89,67.945 ; 8.89,69.596 8.89,67.945 ; 14.351,52.451 14.351,53.467 ; 16.129,52.451 8.89,52.451 8.89,67.945 ; 25.908,9.398 27.559,9.398 ; 25.908,67.818 25.908,64.516 20.447,64.516 20.447,67.945 ; 27.559,8.128 27.559,9.398 ; 42.037,16.637 43.053,16.637 43.053,9.398 27.559,9.398 ; 50.673,67.818 50.673,64.77 48.133,64.77 48.133,67.945 ; 87.757,42.672 87.757,39.37 77.343,39.37 77.343,42.672 81.026,42.672 ; 20.447,67.945 27.178,67.945 27.178,74.422 20.447,74.422 20.447,67.945 ; 48.133,67.945 52.07,67.945 52.07,74.422 48.133,74.422 48.133,67.945 ; 66.421,42.799 65.532,42.799 65.532,38.735 71.755,38.735 71.755,42.799 ; 66.421,42.799 66.421,52.07 71.755,52.07 71.755,51.816 71.755,42.799 ; 66.421,42.799 71.755,42.799 ; 81.026,42.672 89.408,42.672 89.408,53.34 77.978,53.34 77.978,51.181 79.375,51.181 79.375,48.387 81.026,48.387 81.026,42.672 ; 0.508,13.208 0.508,23.622 5.842,23.622 5.842,13.208 0.508,13.208 ; 0.508,26.543 5.842,26.543 5.842,31.877 0.508,31.877 0.508,26.543
  text "RESET" at 68.351,73.304 h0.76
  text "GND" at 10.058,68.351 h0.76
  text "3V3" at 15.773,68.224 h0.76
  text "GND" at 95.021,67.208 h0.76
  text "GPIO 2" at 9.804,67.001 h0.76
  text "GPIO 3" at 9.804,65.472 h0.76
  text "GPIO 45" at 57.84,64.414 h0.76 r90
  text "GPIO 1" at 53.522,64.287 h0.76 r90
  text "GPIO 40" at 62.205,64.287 h0.76 r90
  text "GPIO 4" at 9.804,63.943 h0.76
  text "GPIO 0" at 68.097,62.509 h0.76
  text "GPIO 5" at 9.804,62.414 h0.76
  text "GPIO 6" at 9.804,60.884 h0.76
  text "GPIO 7" at 9.804,59.355 h0.76
  text "GPIO 8" at 9.804,57.826 h0.76
  text "GPIO 9" at 9.804,56.297 h0.76
  text "SUPPEND LED" at 76.606,54.889 h0.76
  text "GPIO 10" at 9.804,54.768 h0.76
  text "GPIO 11" at 9.804,53.238 h0.76
  text "1" at 92.608,51.079 h0.76
  text "1" at 92.608,44.983 h0.76
  text "GND" at 3.656,32.355 h0.76
  text "TX" at 1.245,32.31 h0.76
  text "GND" at 3.529,25.37 h0.76
  text "RX" at 1.168,25.298 h0.76
  text "GND" at 6.398,21.869 h0.76
  text "GND" at 6.398,19.287 h0.76
  text "5V_H" at 23.266,18.821 h0.76
  text "+5" at 6.398,16.705 h0.76
  text "+12" at 6.398,14.122 h0.76
  text "VCC" at 6.883,12.344 h0.76
  text "PWR" at 0.533,11.963 h0.76
  text "12V_H" at 23.266,11.201 h0.76
  text "GPIO 12" at 28.122,10.312 h0.76 r90
  text "GPIO 13" at 29.651,10.312 h0.76 r90
  text "GPIO 14" at 31.18,10.312 h0.76 r90
  text "GPIO 15" at 32.709,10.312 h0.76 r90
  text "GPIO 16" at 34.239,10.312 h0.76 r90
  text "GPIO 19" at 35.768,10.312 h0.76 r90
  text "GPIO 20" at 37.297,10.312 h0.76 r90
  text "GPIO 21" at 38.826,10.312 h0.76 r90
  text "GPIO 26" at 40.355,10.312 h0.76 r90
  text "GPIO 33" at 41.885,10.312 h0.76 r90
  text "GND" at 79.019,4.978 h0.76
  text "3V3" at 79.019,2.565 h0.76
  text "GND" at 14.376,2.184 h0.76
  text "GND" at 57.302,1.803 h0.76
  text "GND" at 87.655,1.803 h0.76
  text "GND" at 3.2,0.279 h0.76
Bottom Overlay:
  text "GND" at 8.296,21.54 h0.76
  text "GND" at 8.296,20.397 h0.76
  text "+5" at 8.296,19.287 h0.76
  text "+12" at 8.296,18.111 h0.76

## Text inside footprints (layer, text, board x,y; h text height)
D1: Top Overlay "+" at 63.373,74.422 h0.76 r180
D2: Top Overlay "+" at 58.928,74.422 h0.76 r180
D3: Top Overlay "+" at 54.483,74.422 h0.76 r180
D4: Top Overlay "+" at 24.511,68.707 h0.76 r90
D5: Top Overlay "+" at 77.919,59.383 h0.76 r270
D12: Top Overlay "+" at 0.343,37.084 h0.76 r270
J3: Mechanical 2 "PCB Edge" at 86.814,75.383 h0.41 r180
P1: Bottom Overlay "1" at 1.375,25.81 h1.02 r270; Bottom Overlay "2" at 4.075,25.51 h1.02 r270; Bottom Overlay "3" at 1.375,32.21 h1.02 r270; Bottom Overlay "4" at 4.075,32.21 h1.02 r270
P3: Bottom Overlay "1" at 1.375,12.475 h1.02 r270; Bottom Overlay "2" at 4.075,12.175 h1.02 r270; Bottom Overlay "7" at 1.375,23.955 h1.02 r270; Bottom Overlay "8" at 4.075,23.955 h1.02 r270